# Altium PCB HIL_RIG_REV_1_2.PcbDoc (part 9 of 14)
Units mil, origin at the board's own origin, x right, y up, seen from the top; angles counter-clockwise.
Board outline 9845 x 7590 mil, 6 copper layers (Top Layer, Int1 (GND), Int2 (PWR), Int3 (Sign), Int4 (GND), Bottom Layer), stack 60.566 mil thick; 1465 components, 731 nets, 4058 pads, 3944 vias.
Unrouted connection lines stored in the file: 1754.
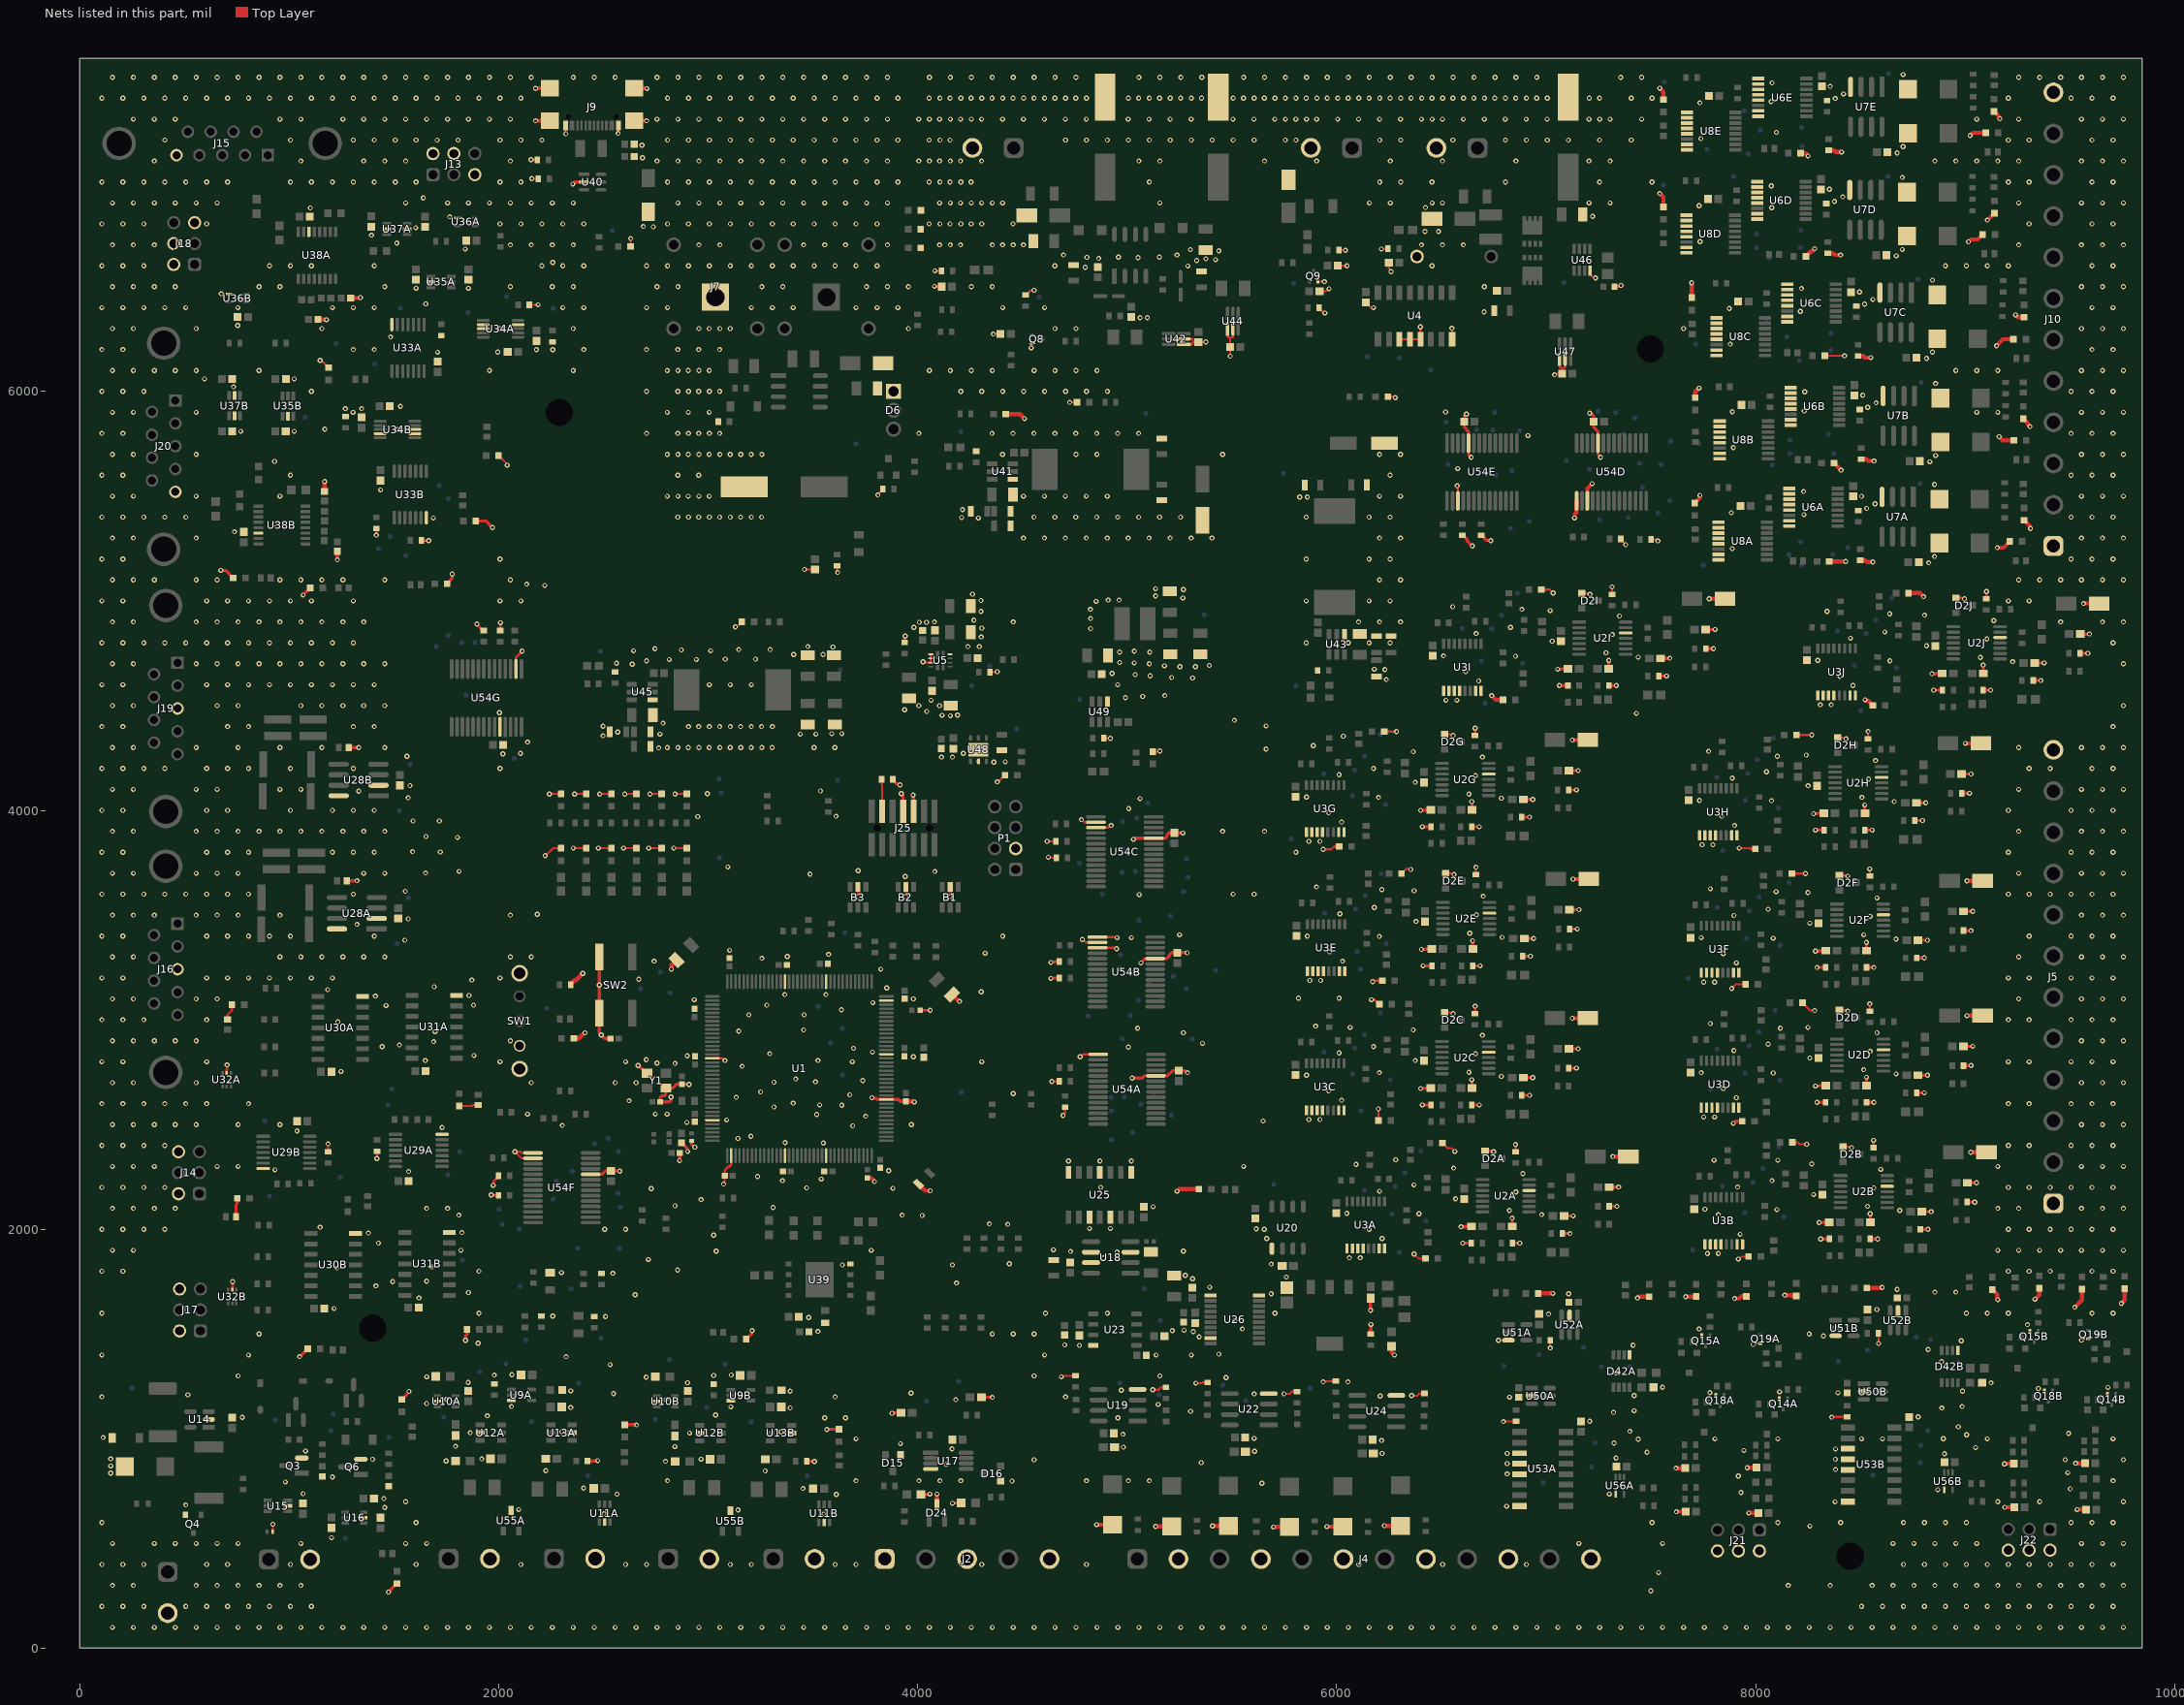
[diagram p13: the nets of this part, all layers, seen from the top]

## Via types
v1: diameter 24, hole 12, Top Layer to Bottom Layer, tented both sides, 3944 vias

## Nets (pads, with @x,y where several pads share a name; then routed paths per layer and width w, separated by ;. In a path a pad name is that pad's centre, name@x,y a point inside that pad or via, vN(x,y) a via of type N, cw(c..) or ccw(c..) an arc to the next point about the centre after c; other vN are vias at no path point) (continued)
GND: B1.2 B2.2 B3.2 C1.2 C2.2 C3.1 C4.1 C5.1 C6.1 C7.1 C8.1 C9.1 C10.1 C11.1 C12.1 C13.1 C14.1 C15.1 C16.1 C17.1 C18.2 C19.2 C20.1 C21.1 C22.1 C23.1 C24.2 C25.2 C26A.2 C26B.2 C27.2 C28A.2 C28B.2 C28C.2 C28D.2 C28E.2 C28F.2 C28G.2 C28H.2 C28I.2 C28J.2 C29A.2 C29B.2 C29C.2 C29D.2 C29E.2 C29F.2 C29G.2 C29H.2 C29I.2 C29J.2 C30A.2 C30B.2 C30C.2 C30D.2 C30E.2 C30F.2 C30G.2 C30H.2 C30I.2 C30J.2 C31A.2 C31B.2 C31C.2 C31D.2 C31E.2 C31F.2 C31G.2 C31H.2 C31I.2 C31J.2 C32A.2 C32B.2 C32C.2 C32D.2 C32E.2 C32F.2 C32G.2 C32H.2 C32I.2 C32J.2 C33A.2 C33B.2 C33C.2 C33D.2 C33E.2 C33F.2 C33G.2 C33H.2 C33I.2 C33J.2 C35.1 C36.2 C37.1 C38.2 C39.1 C40.2 C41.2 C42.2 C43.1 C44.1 C45.2 C46.1 C47A.1 C47B.1 C47C.1 C47D.1 C47E.1 C48A.2 C48B.2 C48C.2 C48D.2 C48E.2 C49A.1 C49B.1 C49C.1 C49D.1 C49E.1 C50A.2 C50B.2 C51A.2 C51B.2 C52A.1 C52B.1 C53A.2 C53B.2 C54A.2 C54B.2 C55A.2 C55B.2 C56A.2 C56B.2 C57A.2 C57B.2 C58.1 C59.2 C60.1 C61.1 C62.1 C63.1 C64.2 C65.2 C66.2 C68.2 C69.2 C70.1 C71.1 C72.2 C73.2 C74.2 C75.2 C76.2 C77.1 C78.2 C79.2 C80.1 C81.1 C82.2 C83.1 C84.2 C85.1 C86.1 C87.2 C88.1 C90A.2 C90B.2 C91A.2 C91B.2 C92A.2 C92B.2 C93A.2 C93B.2 C94A.2 C94B.2 C95A.1 C95B.1 C96A.2 C96B.2 C97A.1 C97B.1 C98A.2 C98B.2 C99A.1 C99B.1 C100A.2 C100B.2 C101A.1 C101B.1 C102A.1 C102B.1 C105A.2 C105B.2 C106A.2 C106B.2 C107A.1 C107B.1 C108.2 C109.2 C111.1 C112.2 C113.2 C114.2 C115.2 C116.2 C117.2 C119.1 C120.2 C121.1 C122.2 C123.1 C124.1 C125.1 C127.1 C128.2 C129.2 C130.2 C131.2 C132.2 C133.2 C135.1 C136.2 C137.1 C138.2 C139.1 C140.1 C141.1 C143.2 C144.2 C145.2 C146.2 C147.2 C148.2 C149.2 C150.2 C152.2 C153.1 C154.1 C155.2 C156.1 C157.1 C158.2 C159.1 C160.1 C161.2 C162.2 C164.2 C165.2 C166.2 C168A.1 C168B.1 C169A.1 C169B.1 C170A.1 C170B.1 C171A.2 C171B.2 C172A.1 C172B.1 C173A.1 C173B.1 C174A.1 C174B.1 C175A.1 C175B.1 C176A.1 C176B.1 C177A.2 C177B.2 C177C.2 C177D.2 C177E.2 C177F.2 C177G.2 C178.1 D1A.2 D1B.2 D1C.2 D1D.2 D1E.2 D1F.2 D1G.2 D1H.2 D1I.2 D1J.2 D2A.1 D2B.1 D2C.1 D2D.1 D2E.1 D2F.1 D2G.1 D2H.1 D2I.1 D2J.1 D5.2 D6.1 D7A.2 D7B.2 D7C.2 D7D.2 D7E.2 D8A.2 D8B.2 D8C.2 D8D.2 D8E.2 D10.2 D11.2 D14.1 D15.1 D16.1 D17.2 D18.2 D19.2 D20.2 D21.2 D22.2 D23.2 D24.3 D25.1 D26.1 D29.2 D30.1 D31.1 D34.2 D35.1 D36.1 D37.2 D38.1 D39.1 D40.1 D41.1 D42A.1 D42B.1 D45A.1 D45B.1 D45C.1 D45D.1 D45E.1 D45F.1 D45G.1 D45H.1 D45I.1 D45J.1 D45K.1 D45L.1 D45M.1 D45N.1 D45O.1 D45P.1 D46A.1 D46AA.1 D46AB.1 D46AC.1 D46AD.1 D46AE.1 D46AF.1 D46AG.1 D46AH.1 D46AI.1 D46AJ.1 D46AK.1 D46AL.1 D46AM.1 D46AN.1 D46AO.1 D46AP.1 D46AQ.1 D46AR.1 D46AS.1 D46AT.1 D46AU.1 D46AV.1 D46AW.1 D46B.1 D46C.1 D46D.1 D46E.1 D46F.1 D46G.1 D46H.1 D46I.1 D46J.1 D46K.1 D46L.1 D46M.1 D46N.1 D46O.1 D46P.1 D46Q.1 D46R.1 D46S.1 D46T.1 D46U.1 D46V.1 D46W.1 D46X.1 D46Y.1 D46Z.1 D48A.1 D48B.1 D48C.1 D48D.1 D48E.1 D48F.1 D49A.1 D49B.1 D49C.1 D49D.1 D49E.1 D49F.1 D50.1 J1.2 J2.1 J2.3 J2.5 J4.2 J4.4 J4.6 J4.8 J4.10 J4.12 J5.1 J5.12 J6.2 J7.1 J8.2 J9.1 J9.2 J9.3 J9.4 J9.A1-B12 J9.B1-A12 J10.1 J10.12 J11.2 J12.2 J13.2 J13.4 J13.5 J14.2 J14.6 J15.5 J16.3 J17.2 J17.6 J18.2 J18.4 J18.5 J19.3 J20.5 J21.2 J21.4 J21.6 J22.2 J22.4 J22.6 J23.2 J24.2 J25.5 J25.7 J26.2 J27.2 P1.3 Q3.2 Q4.2 Q6.2 Q8.2 Q9.2 Q14A.2 Q14B.2 Q15A.2 Q15B.2 Q18A.2 Q18B.2 Q19A.2 Q19B.2 R3.1 R6A.1 R6B.1 R6C.1 R6D.1 R6E.1 R6F.1 R6G.1 R6H.1 R6I.1 R6J.1 R9A.2 R9B.2 R9C.2 R9D.2 R9E.2 R9F.2 R9G.2 R9H.2 R9I.2 R9J.2 R13A.1 R13B.1 R13C.1 R13D.1 R13E.1 R13F.1 R13G.1 R13H.1 R13I.1 R13J.1 R15A.2 R15B.2 R15C.2 R15D.2 R15E.2 R15F.2 R15G.2 R15H.2 R15I.2 R15J.2 R19A.2 R19B.2 R19C.2 R19D.2 R19E.2 R19F.2 R19G.2 R19H.2 R19I.2 R19J.2 R24.1 R25.1 R28.1 R30.1 R31.1 R34A.1 R34B.1 R34C.1 R34D.1 R34E.1 R37A.1 R37B.1 R37C.1 R37D.1 R37E.1 R38A.2 R38B.2 R39A.2 R39B.2 R41A.2 R41B.2 R43A.2 R43B.2 R46.2 R50.2 R56.1 R60.1 R64.1 R65.1 R67.2 R71.1 R74.1 R75.1 R77.2 R80.1 R81.1 R87A.1 R87B.1 R92A.2 R92B.2 R93A.2 R93B.2 R94A.2 R94B.2 R113.1 R114.1 R117.1 R123.1 R124.2 R128.1 R134.1 R135.2 R139.1 R144.2 R145.2 R150.2 R151A.1 R151B.1 R152A.1 R152B.1 R177A.1 R177B.1 R177C.1 R177D.1 R177E.1 R177F.1 R177G.1 R178A.1 R178B.1 R178C.1 R178D.1 R178E.1 R178F.1 R178G.1 R185.2 R186.2 R187.2 R188.2 R192.2 SW1.3 SW1.MH1 SW1.MH2 SW2.2 SW2.4 U1.16 U1.31 U1.38 U1.51 U1.61 U1.83 U1.94 U1.107 U1.120 U1.130 U2A.12 U2B.12 U2C.12 U2D.12 U2E.12 U2F.12 U2G.12 U2H.12 U2I.12 U2J.12 U3A.1 U3A.2 U3A.3 U3A.4 U3A.7 U3A.8 U3B.1 U3B.2 U3B.3 U3B.4 U3B.7 U3B.8 U3C.1 U3C.2 U3C.3 U3C.4 U3C.7 U3C.8 U3D.1 U3D.2 U3D.3 U3D.4 U3D.7 U3D.8 U3E.1 U3E.2 U3E.3 U3E.4 U3E.7 U3E.8 U3F.1 U3F.2 U3F.3 U3F.4 U3F.7 U3F.8 U3G.1 U3G.2 U3G.3 U3G.4 U3G.7 U3G.8 U3H.1 U3H.2 U3H.3 U3H.4 U3H.7 U3H.8 U3I.1 U3I.2 U3I.3 U3I.4 U3I.7 U3I.8 U3J.1 U3J.2 U3J.3 U3J.4 U3J.7 U3J.8 U4.3 U4.4 U4.5 U4.8 U5.3 U5.4 U5.5 U5.12 U6A.1 U6A.2 U6A.3 U6A.4 U6A.5 U6A.7 U6A.8 U6B.1 U6B.2 U6B.3 U6B.4 U6B.5 U6B.7 U6B.8 U6C.1 U6C.2 U6C.3 U6C.4 U6C.5 U6C.7 U6C.8 U6D.1 U6D.2 U6D.3 U6D.4 U6D.5 U6D.7 U6D.8 U6E.1 U6E.2 U6E.3 U6E.4 U6E.5 U6E.7 U6E.8 U7A.4 U7B.4 U7C.4 U7D.4 U7E.4 U8A.1 U8A.2 U8A.3 U8A.4 U8A.5 U8A.7 U8A.8 U8B.1 U8B.2 U8B.3 U8B.4 U8B.5 U8B.7 U8B.8 U8C.1 U8C.2 U8C.3 U8C.4 U8C.5 U8C.7 U8C.8 U8D.1 U8D.2 U8D.3 U8D.4 U8D.5 U8D.7 U8D.8 U8E.1 U8E.2 U8E.3 U8E.4 U8E.5 U8E.7 U8E.8 U9A.3 U9B.3 U10A.2 U10B.2 U11A.2 U11B.2 U12A.2 U12B.2 U13A.2 U13B.2 U14.2 U15.2 U16.2 U17.4 U18.3 U18.6 U18.7 U19.4 U20.1 U22.4 U23.4 U24.4 U25.1 U25.4 U25.7 U25.10 U25.12 U26.1 U26.9 U26.20 U28A.2 U28A.8 U28B.2 U28B.8 U29A.7 U29B.7 U30A.7 U30B.7 U31A.7 U31B.7 U32A.2 U32B.2 U33A.7 U33B.7 U34A.2 U34A.3 U34A.9 U34B.2 U34B.3 U34B.9 U35A.2 U35B.2 U36A.4 U36B.4 U37A.2 U37A.5 U37B.2 U37B.5 U38A.14 U38B.14 U39.4 U40.2 U41.4 U42.1 U42.2 U43.4 U44.1 U44.2 U45.4 U46.4 U47.1 U47.2 U48.2 U48.7 U49.1 U50A.2 U50B.2 U51A.3 U51B.3 U52A.2 U52B.2 U53A.3 U53A.4 U53A.5 U53A.8 U53B.3 U53B.4 U53B.5 U53B.8 U54A.10 U54A.15 U54B.10 U54B.15 U54B.16 U54B.17 U54C.10 U54C.16 U54C.17 U54D.10 U54D.15 U54D.17 U54E.10 U54E.17 U54F.10 U54F.15 U54F.16 U54G.10 U54G.16 U55A.3 U55B.3 U56A.4 U56B.4 Y1.2 Y1.4 | length 19956.7
  Top Layer w10: D14.1@921.78,556 921.78,591.78 v1(922,592) ; v1(1148,6148.47) 1150.68,6145.79 1155.73,6145.79 D45M.1@1188,6113.53 ; R87B.1@1186,2370.64 v1(1186,2408) ; v1(1416,5314) R94B.2@1416,5345.36 ; v1(1418,2338) 1419.72,2339.72 1419.72,2352.11 1420,2352.39 R87A.1@1420,2373.36 ; R93B.2@1631.28,5288 v1(1666,5288) ; D45N.1@1999.53,5694 2037.79,5655.73 2037.79,5650.68 v1(2040.47,5648) ; R93A.2@2146,6414 v1(2188,6414) ; v1(2154,7106) 2154.44,7105.56 R113.1@2184.36,7105.56 ; v1(2158,7016) 2158.44,7015.56 R114.1@2189.36,7015.56 ; U54F.16@2163.76,2339.56 2108.51,2339.56 2078.07,2370 v1(2078,2370) 2103.66,2370 2108.51,2365.15 U54F.15@2163.76,2365.15 ; v1(2222,3784) 2224,3784 2259.06,3819.06 D48A.1@2298,3819.06 ; v1(2242,4078) 2243.06,4079.06 D49A.1@2298,4079.06 ; J9.B1-A12@2319.02,7270.12 2319.02,7230.98 v1(2320,7230) ; v1(2356,3820) 2356.94,3819.06 D48B.1@2418,3819.06 ; v1(2362,4078) 2363.06,4079.06 D49B.1@2418,4079.06 ; v1(2476,3820) 2476.94,3819.06 D48C.1@2538,3819.06 ; v1(2482,4078) 2483.06,4079.06 D49C.1@2538,4079.06 ; v1(2570,7232) 2570.98,7232.98 J9.A1-B12@2570.98,7270.12 ; v1(2596,3820) 2596.94,3819.06 D48D.1@2658,3819.06 ; v1(2602,4078) 2603.06,4079.06 D49D.1@2658,4079.06 ; D25.1@2630,6692.56 v1(2630,6730) ; v1@2656.94,1067.06 v1(2658,1066) ; v1@2705.24,7292.76 v1(2706,7292) ; v1(2716,3820) 2716.94,3819.06 D48E.1@2778,3819.06 ; v1(2722,4078) 2723.06,4079.06 D49E.1@2778,4079.06 ; v1@2821.16,2630.05 v1(2823.07,2631.95) ; v1(2836,3820) 2836.94,3819.06 D48F.1@2898,3819.06 ; v1(2842,4078) 2843.06,4079.06 D49F.1@2898,4079.06 ; U1.16@3020,2816.52 3065.69,2816.52 3076.21,2806 v1(3080,2806) ; v1(3074,2216) 3074,2219.79 3078.71,2224.5 C12.1@3078.71,2256 ; v1(3130,4876) 3130.25,4876.25 3137.12,4876.25 D36.1@3160.87,4900 ; v1(3460,5150) 3482.91,5150 3483.3,5150.39 C44.1@3510,5150.39 ; R31.1@3616,5167.36 3616,5138 v1(3618,5136) ; v1(3782,2628) v1@3784.68,2625.32 ; v1(3810,5506) 3810,5508.62 3833.36,5531.98 R25.1@3833.36,5535 ; R28.1@3938.22,4801.89 3938.22,4830.22 v1(3940,4832) ; v1(4025.8,4709.5) 4028.47,4706.82 4041.72,4706.82 4043.13,4705.41 U5.5@4062.94,4705.41 U5.4@4062.94,4725.09 U5.3@4062.94,4744.78 ; v1(4080,6502) 4082,6500 C125.1@4115,6500 ; v1(4082,6576) 4083,6575 R124.2@4113.36,6575 ; v1@4196.37,3088 v1(4200,3088) ; R30.1@4344.86,4660.25 4378.25,4660.25 v1(4380,4662) ; v1(4360.69,6274.08) 4367.77,6274.08 4368.69,6275 C123.1@4395.39,6275 ; v1(4380,4136) 4382.68,4138.68 4387.62,4138.68 D40.1@4416.94,4168 ; R123.1@4515,6461.64 4518.02,6461.64 4536.7,6480.32 4553.32,6480.32 v1(4556,6483) ; v1(4542,6208) 4544.51,6210.51 Q8.2@4544.51,6230.31 ; v1(4618,3852) R178C.1@4659.36,3852 ; v1(4624,3776) 4638.39,3776 4640.39,3774 R177C.1@4661.36,3774 ; v1(4640.64,2706) R178A.1@4675.36,2706 ; v1(4686,1296) 4689.79,1296 4694.43,1300.64 R65.1@4754,1300.64 ; v1(4694,2544) 4694,2547.79 4704,2557.79 R177A.1@4704,2583.36 ; v1(4726,5948) D26.1@4760.47,5948 ; v1(4776,2824) 4779.79,2824 4790.94,2835.15 U54A.15@4862,2835.15 ; v1(4782,3956) 4783.72,3956 4796.16,3943.56 U54C.16@4851.41,3943.56 ; v1(4786,3384) 4789.07,3384 4803.51,3369.56 U54B.16@4858.76,3369.56 ; U54C.17@4851.41,3917.97 4911.53,3917.97 4921.56,3928 v1(4924,3928) ; U54B.17@4858.76,3343.97 4942.24,3343.97 4946.21,3340 v1(4950,3340) ; U54B.15@4858.76,3395.15 4945.06,3395.15 4948.21,3392 v1(4952,3392) ; R150.2@4888.13,4345.4 4909.09,4345.4 4910.49,4344 v1(4920,4344) ; D41.1@5122.9,4280.72 5152.72,4280.72 v1(5156,4284) ; v1(5123,1234.36) 5150.37,1234.36 5161.01,1245 R64.1@5185,1245 ; U42.1@5270.97,6224.88 5311.98,6224.88 5313.3,6226.2 5313.3,6235.39 ; U42.2@5270.97,6250.47 5311.98,6250.47 5313.3,6249.15 5313.3,6235.39 ; v1(5328,1266) 5357.37,1266 5360.01,1268.64 R75.1@5384,1268.64 ; v1(5376,6236) 5375.39,6235.39 C124.1@5340,6235.39 5313.3,6235.39 ; U44.1@5479.41,6299.03 5479.41,6258.02 5489.47,6258.02 ; v1(5492,6168) C140.1@5492,6212 5492,6255.49 5489.47,6258.02 ; U44.2@5505,6299.03 5505,6258.02 5492.11,6258.02 5490.79,6256.7 5489.47,6258.02 ; v1(5749,1214.64) 5776.37,1214.64 5787.01,1225.28 R74.1@5811,1225.28 ; Q9.2@5909.69,6524.51 5941.49,6524.51 v1(5942,6524) ; R134.1@5916.64,6400 5916.64,6396.98 5935.27,6378.36 5936.62,6378.36 5940.56,6374.42 v1(5944.35,6374.42) ; C139.1@5918.61,6478 5948.21,6478 5960.21,6490 v1(5964,6490) ; v1(5936,1272) 5939.28,1275.28 R81.1@5996,1275.28 ; v1(5936,3814) 5974.72,3814 5988.72,3828 D46N.1@6012.47,3828 ; C141.1@6005,6600 v1(6050,6600) ; R135.2@6011.17,6675 6041,6675 v1(6042,6674) ; C37.1@6140,6425.39 6166.7,6398.69 6174.69,6398.69 v1(6176,6400) ; v1(6166,3096) 6167.96,3097.96 6180.17,3097.96 D46E.1@6203.92,3074.21 ; v1(6172,3182) 6175.79,3182 6180.83,3187.05 D46J.1@6217.98,3187.05 ; D46F.1@6199.23,2518.73 v1(6199.23,2574.77) ; v1(6213.62,6679.85) 6221.6,6679.85 6223.75,6682 R145.2@6244.72,6682 ; D46M.1@6227.53,4376 v1(6286,4376) ; D31.1@6245,5975 6271.21,5975 6276.21,5970 v1(6280,5970) ; C157.1@6249.39,6614 6249.39,6586.39 6260,6575.79 v1(6260,6572) ; U4.3@6300,6249.14 U4.4@6350,6249.14 U4.5@6400,6249.14 v1(6400,6308) ; D46I.1@6310,3698 6333.75,3721.75 6334.82,3720.68 6351.32,3720.68 v1(6354,3718) ; v1(6358,1206) 6385.37,1206 6396.01,1216.64 R80.1@6420,1216.64 ; v1(6370,1882) 6391.25,1860.75 D46B.1@6424.03,1860.75 ; D46A.1@6505.06,2412 6528.8,2388.25 6547.75,2388.25 v1(6564,2372) ; D2C.1@6516,3034.79 6541.72,3034.79 6544.04,3032.47 6553.32,3032.47 v1(6556,3029.79) ; D2G.1@6516,4362.79 6541.72,4362.79 6544.04,4360.47 6553.32,4360.47 v1(6556,4357.79) ; D2E.1@6520,3698.79 6545.72,3698.79 6548.04,3696.47 6557.32,3696.47 v1(6560,3693.79) ; v1(6550,6302) 6551.97,6300.03 U4.8@6551.97,6249.14 ; v1(6576,5550) 6576,5535.75 6578.5,5533.24 U54E.17@6578.5,5478 ; R13C.1@6661,3029.79 v1(6661,3064.79) ; R13G.1@6661,4357.79 v1(6661,4392.79) ; R13E.1@6665,3693.79 v1(6665,3728.79) ; D2A.1@6709,2374.79 6734.72,2374.79 6737.04,2372.47 6746.32,2372.47 v1(6749,2369.79) ; v1@6796.66,1082.66 v1(6796,1082) 6797.31,1083.31 R151A.1@6857.35,1083.31 ; R13A.1@6854,2369.79 v1(6854,2404.79) ; D46Q.1@6977.06,5054 7018,5054 v1(7034,5038) ; R152A.1@7019.28,1470 7019.28,1434.72 v1(7020,1434) ; v1(7040,6080) 7043.79,6080 7048.79,6085 C156.1@7075.87,6085 7075.87,6111.7 ; U47.1@7064.86,6153.75 7064.86,6112.73 7074.83,6112.73 7075.87,6111.7 ; U47.2@7090.51,6153.75 7090.51,6112.74 7076.9,6112.74 7075.87,6111.7 ; D2I.1@7170,5036.79 7195.72,5036.79 7198.04,5034.47 7207.32,5034.47 v1(7210,5031.79) ; U46.4@7210,6576.85 7210,6560.71 7223.53,6547.18 7226.5,6547.18 7231.75,6541.93 v1(7235.53,6541.93) ; R13I.1@7315,5031.79 v1(7315,5066.79) ; R144.2@7326.64,6500 7348.21,6500 7354.21,6506 v1(7358,6506) ; R178D.1@7356.64,5296 7356.64,5292.98 7380,5269.62 v1(7380,5268) ; R177D.1@7500.64,5294 7531.78,5294 7533.11,5292.68 v1(7533.11,5286) ; v1(7886,3150) 7906,3170 D46L.1@7952.47,3170 ; v1(7918,1858) 7921.79,1858 7933.79,1870 D46D.1@7966.47,1870 ; v1(7921.62,3819.96) 7970.77,3819.96 7974.72,3816 D46P.1@7998.47,3816 ; D46K.1@8173.06,3698 v1(8238,3698) ; D46C.1@8175.53,2416 8199.28,2416 8209.28,2406 v1(8244,2406) ; D46O.1@8195.53,4360 v1(8268,4360) ; D46G.1@8223.53,3082 8261.53,3044 v1(8282,3044) ; D46AE.1@8331.06,6170 v1(8424,6170) ; v1@8364.26,1103.66 v1(8363.6,1103) 8364.92,1104.31 R151B.1@8424.95,1104.31 ; D2H.1@8392,4346.79 8417.72,4346.79 8420.04,4344.47 8429.32,4344.47 v1(8432,4341.79) ; D2D.1@8400,3046.79 8425.72,3046.79 8428.04,3044.47 8437.32,3044.47 v1(8440,3041.79) ; D2F.1@8400,3690.79 8425.72,3690.79 8428.04,3688.47 8437.32,3688.47 v1(8440,3685.79) ; D2B.1@8418,2394.79 8443.72,2394.79 8446.04,2392.47 8455.32,2392.47 v1(8458,2389.79) ; R13H.1@8537,4341.79 v1(8537,4376.79) ; R13D.1@8545,3041.79 v1(8545,3076.79) ; R13F.1@8545,3685.79 v1(8545,3720.79) ; R13B.1@8563,2389.79 v1(8563,2424.79) ; R152B.1@8586.89,1491 8586.89,1455.72 v1(8587.6,1455) ; D2J.1@8957,5014.79 8982.72,5014.79 8985.04,5012.47 8994.32,5012.47 v1(8997,5009.79) ; R13J.1@9102,5009.79 v1(9102,5044.79) ; v1(9188,880) v1@9189,881
  Top Layer w12: U32A.2@702,2746.99 702,2764.34 703.84,2766.18 v1(703.84,2784.83) ; U32B.2@728.16,1712.16 728.16,1729.51 730,1731.35 v1(730,1750) ; v1(1896,4890) 1896,4887.62 1924.98,4858.64 R177G.1@1928,4858.64 ; v1(1964,2164) 1966,2162 R177F.1@1999.36,2162 ; v1(1974,2210) 1976.3,2212.3 1976.3,2229.92 1999.36,2252.98 R178F.1@1999.36,2256 ; R178G.1@2007.79,4858.64 2007.79,4895.79 v1(2008,4896) ; U54G.16@2082.75,4674.8 2082.75,4730.75 v1(2112,4760) ; C12.1@3078.71,2256 3078.71,2281.01 3092,2294.3 3092,2296 3094.3,2298.3 3100.27,2298.3 3110.55,2308.57 U1.38@3110.55,2351.95 ; C24.2@4011.77,3046 v1(4060,3046)
  Top Layer w15: v1(673.53,5146) 696.47,5146 D45O.1@732.47,5110 ; v1(1050,1392) 1064.25,1406.25 1064.72,1406.25 D45K.1@1088.47,1430 ; v1(1066,5028) 1066.94,5028 D46AW.1@1100.94,5062 ; C91A.2@1275.77,3664 v1(1324.15,3664) ; C91B.2@1283.77,4300 v1(1332.15,4300) ; v1(1474,268) 1474,268.47 D46AU.1@1514,308.47 ; D45L.1@1538,1188 1561.75,1211.75 1561.75,1213.31 1572,1223.56 v1(1572,1226) ; D45P.1@1753.53,5082 1778,5106.47 v1(1778,5128) ; v1(1842,1470) 1842,1491.78 1848.47,1498.25 D46AQ.1@1848.47,1522 ; D46AV.1@1890,5382 1938,5382 v1(1970,5350) ; v1(2354,6990) 2355.08,6990 2365.08,7000 U40.2@2407.63,7000 ; R43A.2@2426.58,894 2471.26,894 v1(2472.74,895.48) ; U54F.10@2439.35,2262.79 2494.59,2262.79 2509.3,2277.49 2509.3,2278.61 C177F.2@2536,2278.61 2577.39,2278.61 v1(2578,2278) ; SW2.2@2480.33,3299.81 v1(2480.33,3165.95) SW2.4@2480.33,3032.09 2480.33,2940.11 2490,2930.44 v1(2490,2928) 2508.05,2909.95 C23.1@2533.78,2909.95 ; D46AR.1@2602,1067.06 v1@2656.94,1067.06 ; v1(2665.07,2781.95) 2667.29,2781.95 2703.86,2745.39 Y1.2@2707.79,2745.39 ; v1@2821.16,2630.05 2821.16,2611.95 2817.21,2608 C19.2@2770.84,2608 2770.84,2629.24 2778.65,2637.05 2790.53,2637.05 2798.34,2644.87 Y1.4@2798.34,2674.52 2831.93,2674.52 2850.53,2693.11 C18.2@2875.07,2693.11 2906.89,2693.11 v1(2908,2692) ; v1@2864.18,2328.18 v1(2864,2328) 2864,2341.42 2864.36,2341.78 C16.1@2864.36,2363.95 ; C21.1@2873.07,2412.68 2900.28,2385.47 2900.28,2373.72 v1(2902,2372) ; C22.1@2921.07,2422.52 2921.07,2404.94 2934.01,2392 v1(2936,2392) ; D46AS.1@3181.53,1476 3208.28,1502.75 3208.28,1514.28 v1(3210,1516) ; R43B.2@3470.95,892.52 3491.92,892.52 3492.44,892 v1(3508,892) ; v1(3566,1044) 3567.53,1045.53 D46AT.1@3624,1045.53 ; B3.2@3715.4,3634.85 3715.4,3588.6 v1(3716,3588) ; C25.2@3760.14,2244.71 3781.06,2244.71 3792.28,2233.49 3792.28,2229.72 v1(3794,2228) ; v1@3784.68,2625.32 3801.62,2625.32 3807.28,2619.67 3908.33,2619.67 3917.29,2610.71 C8.1@3944,2610.71 ; v1(3878,1122) 3879.68,1123.68 C64.2@3924.28,1123.68 ; R192.2@3881.28,4148 3881.28,4144.98 3902.54,4123.72 3914.28,4123.72 v1(3916,4122) ; v1(3922,4080) 3922,4077.56 3930.4,4069.16 J25.7@3930.4,3995.76 ; B2.2@3943.7,3634.91 3943.7,3603.29 3944,3602.98 v1(3944,3588) ; v1(3978,4073) 3979.72,4071.28 3979.72,4059.36 3980.4,4058.68 J25.5@3980.4,3995.76 ; R56.1@4016.52,733.68 4045.36,733.68 4045.95,734.28 4056.28,734.28 v1(4058,736) ; B1.2@4155.4,3634.85 4155.4,3588.6 v1(4156,3588) ; v1(4166,692) 4167.68,693.68 R60.1@4207.48,693.68 ; C65.2@4303.65,1198.68 4332.48,1198.68 4333.17,1198 v1(4356,1198) ; v1(4636,3198) 4637.72,3199.72 4654.11,3199.72 4654.39,3200 R177B.1@4675.36,3200 ; v1(4636,3274) 4637.72,3275.72 4652.11,3275.72 4654.39,3278 R178B.1@4675.36,3278 ; v1(5024,2722) 5071.56,2722 5082.35,2732.79 U54A.10@5137.59,2732.79 5192.84,2732.79 5217.26,2757.21 C177A.2@5246,2757.21 5276.35,2757.21 5285.56,2748 v1(5288,2748) ; v1(5030,3862) 5032.44,3862 5037.22,3866.79 5182.24,3866.79 5190.51,3875.06 5190.51,3883.82 5199.3,3892.61 C177C.2@5226,3892.61 5252.7,3892.61 5253.31,3892 v1(5266,3892) ; v1(5066,3272) 5086.79,3292.79 5189.59,3292.79 5201.45,3304.64 5201.45,3308.75 5213.3,3320.61 C177B.2@5240,3320.61 5285.39,3320.61 v1(5286,3320) v1@5285.7,3320.3 ; R67.2@6162,1500.64 6162,1521.61 6164,1523.61 v1(6164,1546) ; v1(6162,1614) C75.2@6162,1672.38 ; v1(6401.13,2672) 6419.65,2672 6421.65,2674 C29C.2@6450.48,2674 ; v1(6401.13,4000) 6419.65,4000 6421.65,4002 C29G.2@6450.48,4002 ; v1(6405.13,3336) 6423.65,3336 6425.65,3338 C29E.2@6454.48,3338 ; v1(6409.13,2594) R6C.1@6450.49,2594 ; v1(6409.13,3922) R6G.1@6450.49,3922 ; v1(6413.13,3258) R6E.1@6454.49,3258 ; v1(6594.13,2012) 6612.65,2012 6614.65,2014 C29A.2@6643.48,2014 ; R178E.1@6600,5313.36 6603.02,5313.36 6621.64,5294.73 6621.64,5288.36 v1(6648,5262) ; v1(6602.13,1934) R6A.1@6643.49,1934 ; v1(6620,5892) 6610.7,5882.7 6609.39,5882.7 C177E.2@6609.39,5856 6609.39,5829.13 6629.69,5808.84 U54E.10@6629.69,5753.59 6629.69,5698.35 v1(6642,5686) ; v1(6645,2714) 6645.78,2713.22 C31C.2@6645.78,2674 ; v1(6645,4042) 6645.78,4041.22 C31G.2@6645.78,4002 ; R9C.2@6645.77,2594 v1(6681,2594) ; R9G.2@6645.77,3922 v1(6681,3922) ; v1(6649,3378) 6649.78,3377.22 C31E.2@6649.78,3338 ; R9E.2@6649.77,3258 v1(6685,3258) ; R177E.1@6690,5313.36 6693.02,5313.36 6717.61,5288.77 6735.23,5288.77 v1(6736,5288) ; v1(6838,2054) 6838.78,2053.22 C31A.2@6838.78,2014 ; R9A.2@6838.77,1934 v1(6874,1934) ; R19C.2@6884.28,2639.79 v1(6921,2639.79) ; R19G.2@6884.28,3967.79 v1(6921,3967.79) ; R19E.2@6888.28,3303.79 v1(6925,3303.79) ; C33C.2@6893.71,2724 v1(6936.55,2724) ; C33G.2@6893.71,4052 v1(6936.55,4052) ; C33E.2@6897.71,3388 v1(6940.55,3388) ; v1(7055.13,4674) 7073.65,4674 7075.65,4676 C29I.2@7104.48,4676 ; v1(7063.13,4596) R6I.1@7104.49,4596 ; R19A.2@7077.28,1979.79 v1(7114,1979.79) ; C33A.2@7086.71,2064 v1(7129.55,2064) ; R15C.2@7108.18,2769.79 v1(7144.89,2769.79) ; C32C.2@7108.2,2861.79 v1(7152.97,2861.79) ; R15G.2@7108.18,4097.79 v1(7144.89,4097.79) ; C32G.2@7108.2,4189.79 v1(7152.97,4189.79) ; R15E.2@7112.18,3433.79 v1(7148.89,3433.79) ; C32E.2@7112.2,3525.79 v1(7156.97,3525.79) ; v1(7208,5896) 7209.72,5894.28 7215.72,5894.28 7226,5884 7226.09,5884 7227.39,5882.7 C177D.2@7227.39,5856 7227.39,5829.13 7247.69,5808.84 U54D.10@7247.69,5753.59 7247.69,5698.35 v1(7260,5686) ; v1(7299,4716) 7299.78,4715.22 C31I.2@7299.78,4676 ; R9I.2@7299.77,4596 v1(7335,4596) ; R15A.2@7301.18,2109.79 v1(7337.89,2109.79) ; C32A.2@7301.2,2201.79 v1(7345.97,2201.79) ; R19I.2@7538.28,4641.79 v1(7575,4641.79) ; C33I.2@7547.71,4726 v1(7590.55,4726) ; R15I.2@7762.18,4771.79 v1(7798.89,4771.79) ; C32I.2@7762.2,4863.79 v1(7806.97,4863.79) ; v1(7894,2506) 7896.44,2506 7906.44,2516 D46H.1@7936.47,2516 ; v1(8277.13,3984) 8295.65,3984 8297.65,3986 C29H.2@8326.48,3986 ; v1(8285.13,2684) 8303.65,2684 8305.65,2686 C29D.2@8334.48,2686 ; v1(8285.13,3328) 8303.65,3328 8305.65,3330 C29F.2@8334.48,3330 ; v1(8285.13,3906) R6H.1@8326.49,3906 ; v1(8293.13,2606) R6D.1@8334.49,2606 ; v1(8293.13,3250) R6F.1@8334.49,3250 ; v1(8303.13,2032) 8321.65,2032 8323.65,2034 C29B.2@8352.48,2034 ; v1(8311.13,1954) R6B.1@8352.49,1954 ; v1(8521,4026) 8521.78,4025.22 C31H.2@8521.78,3986 ; R9H.2@8521.77,3906 v1(8557,3906) ; v1(8529,2726) 8529.78,2725.22 C31D.2@8529.78,2686 ; v1(8529,3370) 8529.78,3369.22 C31F.2@8529.78,3330 ; R9D.2@8529.77,2606 v1(8565,2606) ; R9F.2@8529.77,3250 v1(8565,3250) ; v1(8547,2074) 8547.78,2073.22 C31B.2@8547.78,2034 ; R9B.2@8547.77,1954 v1(8583,1954) ; R19H.2@8760.28,3951.79 v1(8797,3951.79) ; R19D.2@8768.28,2651.79 v1(8805,2651.79) ; R19F.2@8768.28,3295.79 v1(8805,3295.79) ; C33H.2@8769.71,4036 v1(8812.55,4036) ; C33D.2@8777.71,2736 v1(8820.55,2736) ; C33F.2@8777.71,3380 v1(8820.55,3380) ; R19B.2@8786.28,1999.79 v1(8823,1999.79) ; C33B.2@8795.71,2084 v1(8838.55,2084) ; v1(8842.13,4652) 8860.65,4652 8862.65,4654 C29J.2@8891.48,4654 ; v1(8850.13,4574) R6J.1@8891.49,4574 ; R15H.2@8984.18,4081.79 v1(9020.89,4081.79) ; C32H.2@8984.2,4173.79 v1(9028.97,4173.79) ; R15D.2@8992.18,2781.79 v1(9028.89,2781.79) ; C32D.2@8992.2,2873.79 v1(9036.97,2873.79) ; R15F.2@8992.18,3425.79 v1(9028.89,3425.79) ; C32F.2@8992.2,3517.79 v1(9036.97,3517.79) ; R15B.2@9010.18,2129.79 v1(9046.89,2129.79) ; C32B.2@9010.2,2221.79 v1(9054.97,2221.79) ; v1(9086,4694) 9086.78,4693.22 C31J.2@9086.78,4654 ; R9J.2@9086.77,4574 v1(9122,4574) ; R19J.2@9325.28,4619.79 v1(9362,4619.79) ; C33J.2@9334.71,4704 v1(9377.55,4704) ; R15J.2@9549.18,4749.79 v1(9585.89,4749.79) ; C32J.2@9549.2,4841.79 v1(9593.97,4841.79)